# Altium PCB MainBoard.PcbDoc (part 2 of 4) (continued)
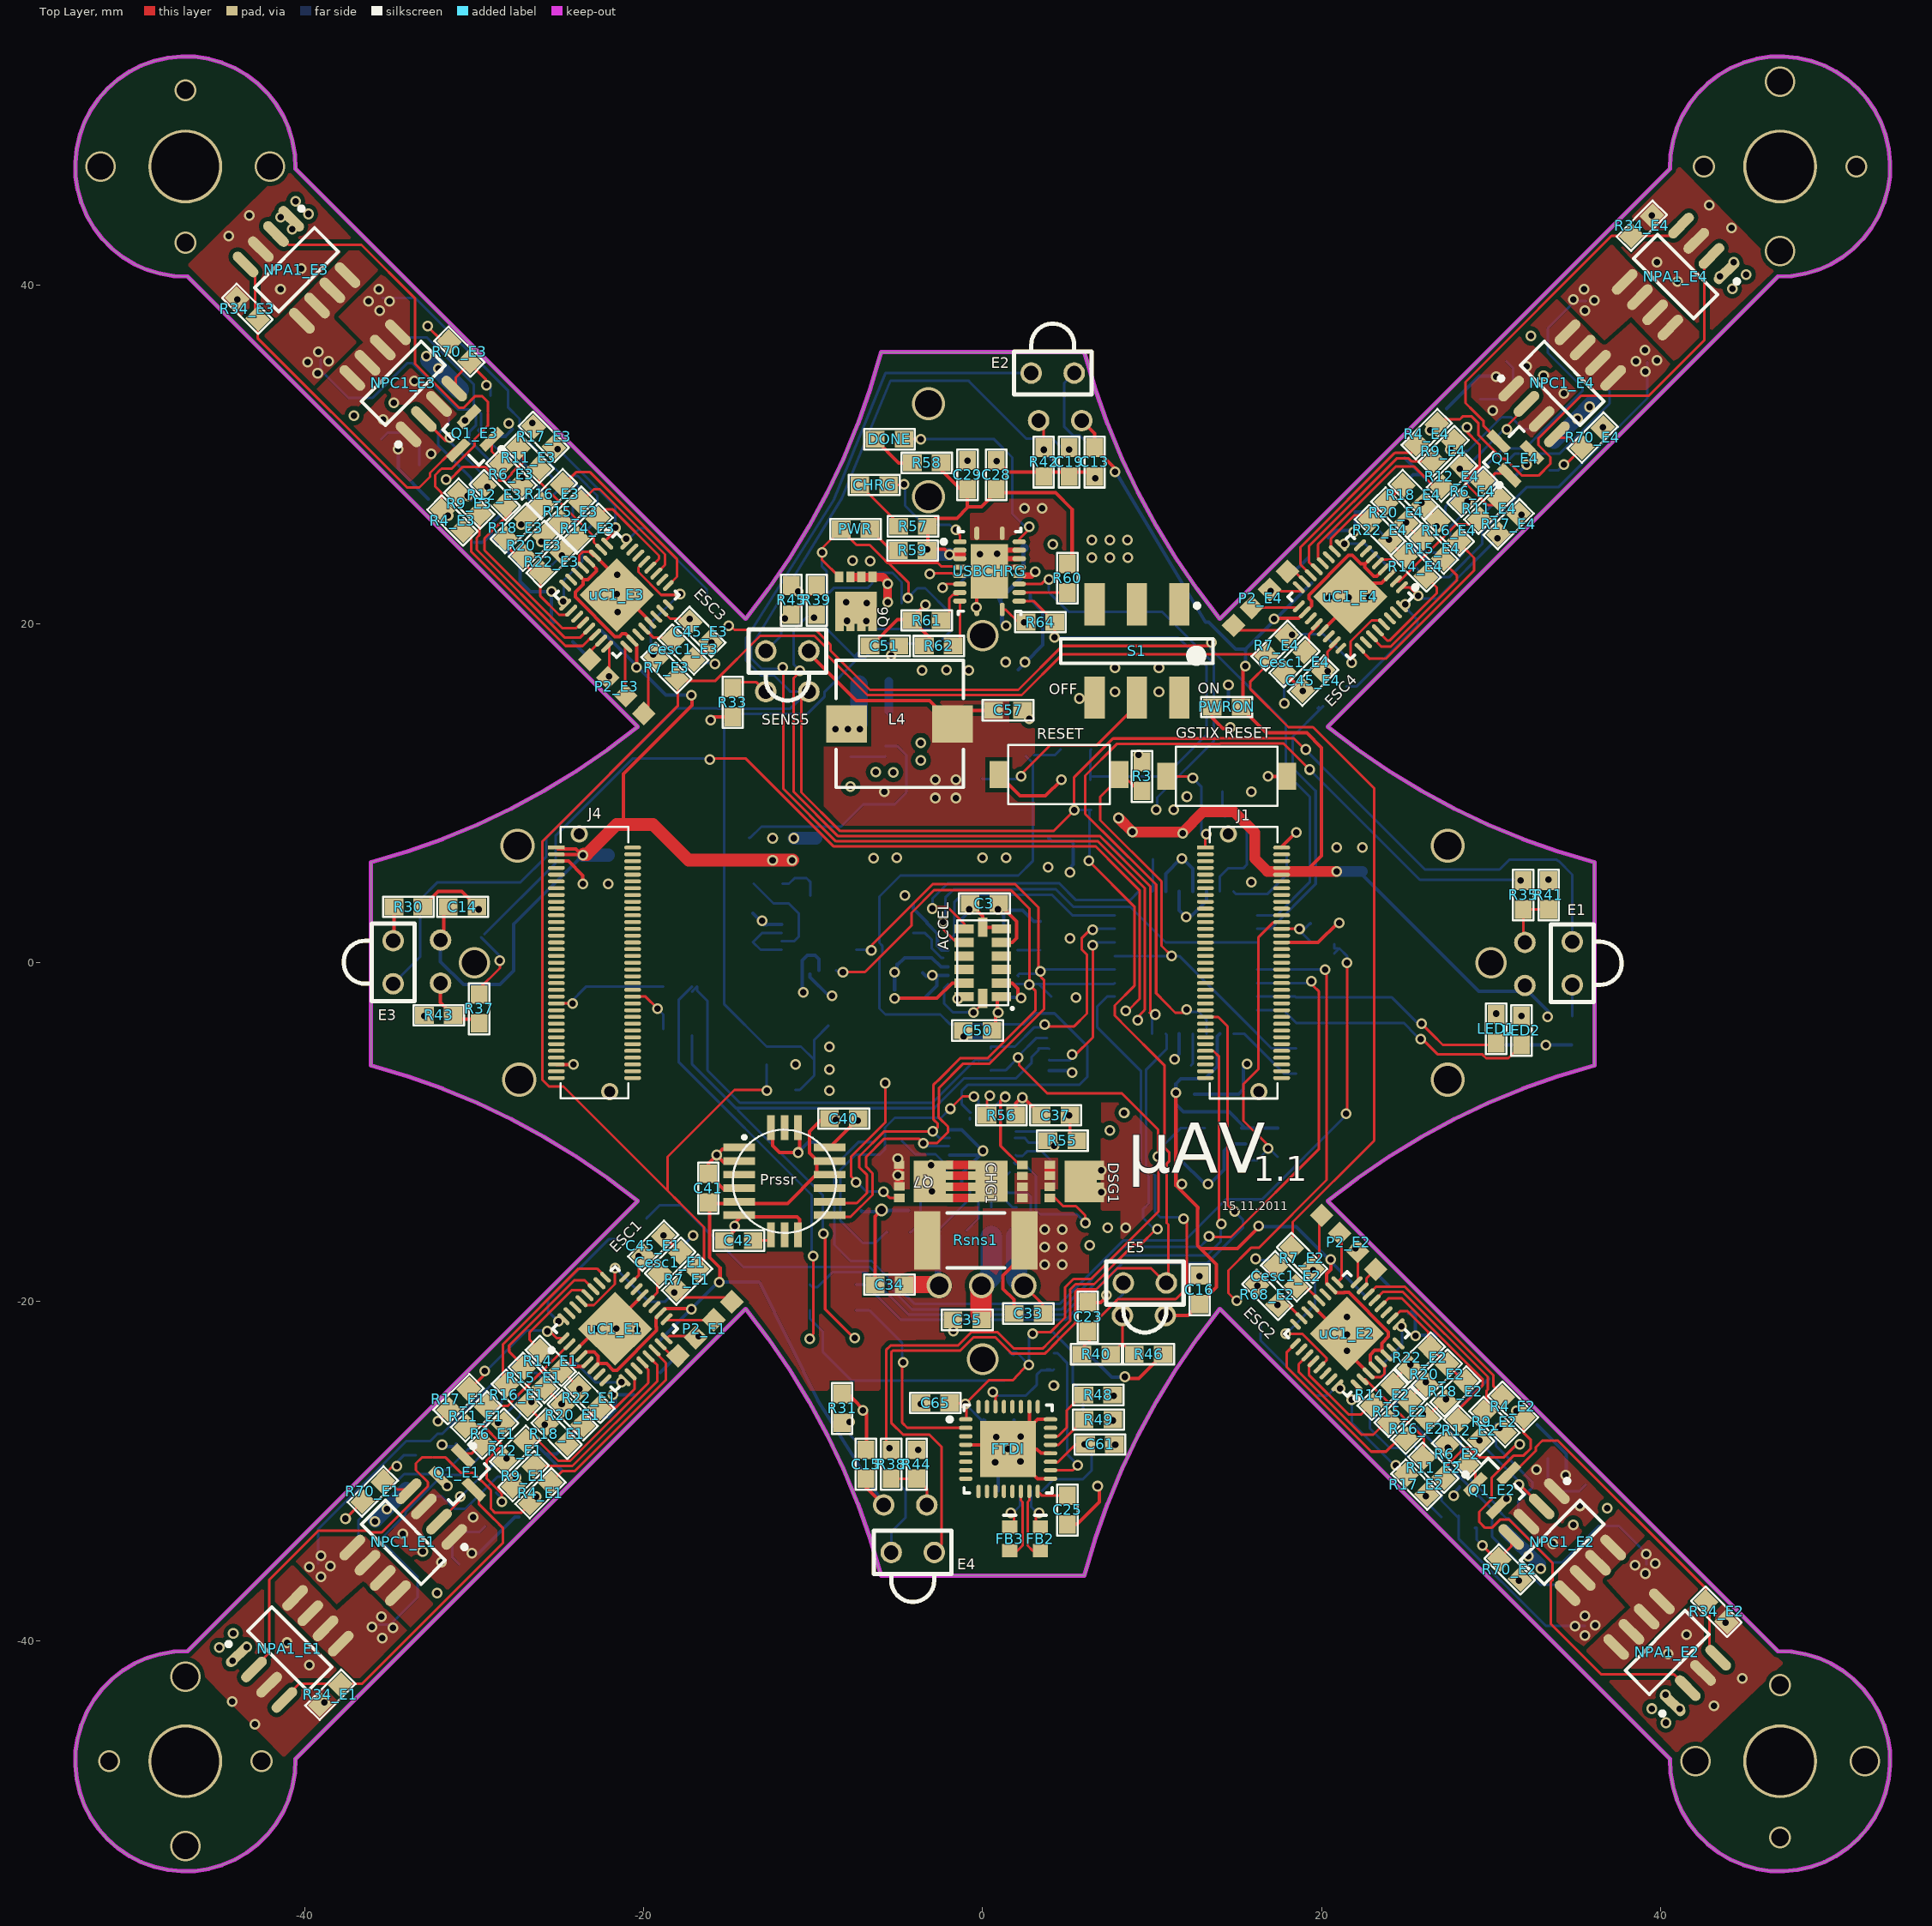
[diagram p0: Top Layer view]
## Nets (pads, with @x,y where several pads share a name; then routed paths per layer and width w, separated by ;. In a path a pad name is that pad's centre, name@x,y a point inside that pad or via, vN(x,y) a via of type N, cw(c..) or ccw(c..) an arc to the next point about the centre after c; other vN are vias at no path point) (continued)
  other v1: -42.95,-44.95 43.167,-43.867 -38.85,-43.65 -44.3,-43.6 44.833,-42.234 -39.75,-41.45 40.45,-40.8 -41.065,-40.125 41.55,-39.65 43.85,-38.95 -32.2,-37.2 31.648,-36.474 -33.05,-34.75 33.655,-34.29 -34.215,-33.714 34.849,-33.172 -37.605,-32.81 36.853,-32.182 16.104,-17.475 6.32,-16.668 7.378,-15.641 8.433,-15.632 7,-13.55 7,-12.25 17.8,15.3 -15.795,17.648 36.6,31.6 -37.1,32.3 -34.75,33.05 34.3,33.6 -33.55,34.35 33.1,34.65 32.35,37 -32.767,37.578 -44,39.15 -41.45,39.75 41,40.2 -40.214,40.968 39.8,41.35 -44.502,42.899 44.208,43.363 -43.282,44.099 39.5,44.1 42.889,44.709
BATT-: Battery.3 Bprot1.5 C34.1 R54.2 Rsns1.1 | length 8.5
  Top Layer w1.016: C34.1@-4.25,-19 -2.62,-19 Battery.3@-2.57,-19.05
  Bottom Layer w0.152: R54.2@-2.679,-15.85 -0.755,-13.926 Bprot1.5@-0.755,-13.055
  Bottom Layer w0.381: R54.2@-2.854,-15.85 R54.2@-2.65,-15.85 ; R54.2@-2.65,-16.127 -2.65,-18.97 Battery.3@-2.57,-19.05
CELLOUT: Bprot1.8 R63.2 | length 3.3
  Bottom Layer w0.152: R63.2@-4.786,-10.504 -3.989,-11.302 -2.782,-11.302 -2.402,-11.682 -2.402,-11.748 -2.3,-11.85 Bprot1.8@-2.05,-11.85
CHRG_PWR: "DC IN.1" C28.2 C29.1 Q5.1 R57.2 R58.2 R59.2 R60.1 USBCHRG.3 USBCHRG.4 USBCHRG.6 | length 22.6
  Top Layer w0.152: v1@-3.3,22.85 -3.25,22.9 -3.15,23 -1.785,23 -1.635,22.85 USBCHRG.6@-1.4,22.85 ; USBCHRG.4@-1.35,23.85 USBCHRG.4@-1.3,23.9 ; USBCHRG.3@-1.35,24.35 USBCHRG.3@-1.3,24.35
  Top Layer w0.203: R57.2@-3.25,25.87 -3.25,24.4 -2.25,24.4 v1(-1.95,24.1) ; R57.2@-2.793,26.228 -1.522,26.228 -0.9,26.85 ; R58.2@-2.45,29.5 -2.45,29.095 -0.9,27.545 -0.9,26.913 -0.085,26.913 C28.2@0.784,27.782 ; C28.2@0.813,27.75 4.293,27.75 5.277,26.767 R60.1@5.277,23.822 ; R60.1@4.6,23.35 R60.1@4.8,23.15
  Top Layer w0.508: v1(-1.95,24.1) -1.35,24.1 -1.25,24.1
  Bottom Layer w0.762: -3.25,24 -3.225,24.025 -3.15,24.1 v1(-1.95,24.1)
  other v1: -3.13,22.95 -7.68,23.726 -6.643,23.719 -3.267,24.403
CHRGING: C26.1 PWR.2 Q5.2 Q6.2 Q8.2 R1.2 R50.2 R51.2 USBCHRG.5 | length 78.2
  Top Layer w0.152: v1(-9.479,24.207) -9.479,23.779 Q6.2@-8.47,22.77 Q6.2@-8.46,22.76 ; v1@-9.47,24.222 -9.47,24.48 PWR.2@-8.35,25.6 ; PWR.2@-8.456,25.486 -8.269,25.486 -7.446,24.663 -6.672,24.663 -5.769,23.76 ; -5.769,23.739 -5.63,23.6 -5.55,23.6 ; v1@-4.521,21.488 -4.39,21.62 -4.39,22.44 -5.55,23.6 ; USBCHRG.5@-1.35,23.35 -1.4,23.3 -1.585,23.3 -1.36,23.379 -1.3,23.4 -2.45,23.4 -2.65,23.6 -5.55,23.6
  Bottom Layer w0.152: R1.2@-11.05,-7.5 -10.796,-7.5 -9.95,-6.654 -9.95,-5.727 ; v1@-9.65,24.1 -9.48,23.93 -9.48,23.383 -9.22,23.123 -9.22,21.688 ; -9.224,21.684 -9.22,21.688 ; Q8.2@-9.1,-3.7 -9.95,-4.55 -9.95,-5.727 ; R51.2@-7.2,18.3 -7.25,18.3 -7.35,18.3 -7.45,18.2 -7.5,18.15 -7.25,18.15 R51.2@-7.25,18 R51.2@-7.25,17.95 ; R51.2@-7.15,17.95 R51.2@-7.25,17.95 ; R51.2@-7,17.95 R51.2@-7.25,17.95 ; R50.2@-4.78,21.21 -4.78,22.46 -5.345,23.025 -6.125,23.025 -6.358,22.792 -6.438,22.792 -6.58,22.65 -6.53,22.599 -6.53,22.377 -6.767,22.14 -8.768,22.14 -9.22,21.688 ; R50.2@-4.445,21.514 -3.859,22.1 -3.39,22.1 -1.91,20.62 -1.91,19.567 -2.63,18.847 -6.103,18.847 -6.91,18.04 -7.538,18.04 -9.22,19.722 -9.22,21.688 ; -9.95,-5.727 -10.727,-4.95 -12.75,-4.95 -15.25,-2.45 -15.25,14.1 -14.65,14.7 -10.339,14.7 -9.35,15.689 -9.35,15.97 -7.37,17.95 R51.2@-7.25,17.95
  other v1: -4.42,21.539
CS0: MCU.12
CTAP: Battery.2 C35.1 R53.2 | length 4.8
  Top Layer w1.27: C35.1@-0.094,-20.7 -0.094,-19.17 Battery.2@-0.07,-19.05
  Bottom Layer w1.27: Battery.2@-0.07,-19.05 0.5,-18.48 R53.2@0.5,-16.35 R53.2@0.5,-16.15
ENA: 3.3PWR.7 S1.5 | length 11.1
  Top Layer w0.152: v1@2.05,10.9 4,12.85 6.75,12.85 9.025,15.125 S1.5@9.025,15.375
  Bottom Layer w0.152: 3.3PWR.7@-0.05,10.875 -0.025,10.85 2,10.85 v1@2.05,10.9
  other v1: 2.261,10.998
FTDI_RESET: B1.1 FTDI.18 | length 9.1
  Top Layer w0.152: FTDI.18@4,-29.95 5.323,-29.95 v1@5.619,-29.654
  Bottom Layer w0.152: B1.1@4.2,-23.05 4.423,-23.05 4.979,-23.605 4.979,-29.005 v1@5.652,-29.678
  other v1: 5.616,-29.657
GND: 3.3PWR.10 3.3PWR.11 3.3PWR.17 "DC IN.2" "GSTIX RESET.2" ACCEL.2 ACCEL.5 ACCEL.12 B1.3 Bprot1.6 Bprot1.9 Bprot1.12 Bprot1.25 C1.1 C2.2 C3.1 C4.1 C5.2 C6.1 C7.2 C8.2 C9.1 C10.2 C11.1 C12.1 C13.1 C14.1 C15.1 C16.1 C18.1 C19.1 C20.1 C21.1 C22.1 C23.1 C24.2 C25.2 C27.1 C28.1 C29.2 C30.1 C31.2 C32.2 C33.2 C34.2 C35.2 C36.2 C37.2 C38.1 C39.1 C40.1 C41.1 C42.2 C43.2 C44.2 C45_E1.2 C45_E2.2 C45_E3.2 C45_E4.2 C46.2 C47_E1.2 C47_E2.2 C47_E3.2 C47_E4.2 C48.2 C50.2 C51.1 C52.2 C54.2 C55_E1.2 C55_E2.2 C55_E3.2 C55_E4.2 C56.1 C57.1 C58.1 C59.2 C61.2 C62.2 C63.1 C64.2 C65.2 C66.2 Cesc1_E1.1 Cesc1_E2.1 Cesc1_E3.1 Cesc1_E4.1 FTDI.4 FTDI.17 FTDI.20 FTDI.24 FTDI.26 FTDI.33 IMU.1 IMU.9 IMU.11 IMU.18 J1.56 J1.70 J1.73 J1.103 Mag.12 Mag.17 MCU.3 MCU.5 MCU.21 mUSB1.5 NPA1_E1.1 NPA1_E2.1 NPA1_E3.1 NPA1_E4.1 NPB1_E1.1 NPB1_E2.1 NPB1_E3.1 NPB1_E4.1 NPC1_E1.1 NPC1_E2.1 NPC1_E3.1 NPC1_E4.1 Osc2.1 Osc2.2 Prssr.1 Prssr.2 Prssr.4 Prssr.6 Prssr.8 Prssr.14 Prssr.15 Prssr.16 Q1_E1.2 Q1_E2.2 Q1_E3.2 Q1_E4.2 Q2_E1.2 Q2_E2.2 Q2_E3.2 Q2_E4.2 Q3_E1.2 Q3_E2.2 Q3_E3.2 Q3_E4.2 Q8.3 Q10.3 R2.2 R5_E1.1 R5_E2.1 R5_E3.1 R5_E4.1 R10_E1.1 R10_E2.1 R10_E3.1 R10_E4.1 R13_E1.1 R13_E2.1 R13_E3.1 R13_E4.1 R24_E1.2 R24_E2.2 R24_E3.2 R24_E4.2 R25_E1.2 R25_E2.2 R25_E3.2 R25_E4.2 R26_E1.2 R26_E2.2 R26_E3.2 R26_E4.2 R28.1 R29.1 R30.1 R31.1 R32.1 R33.1 R41.1 R42.1 R43.1 R44.1 R45.1 R46.1 R56.1 R61.1 R62.1 R65.2 R68_E1.1 R68_E2.1 R68_E3.1 R68_E4.1 R72.2 R74.1 R75.1 R76_E1.1 R76_E2.1 R76_E3.1 R76_E4.1 R77.1 Reg1.2 RESET.2 Rsns1.2 S1.4 uC1_E1.3 uC1_E1.5 uC1_E1.21 uC1_E1.33 uC1_E2.3 uC1_E2.5 uC1_E2.21 uC1_E2.33 uC1_E3.3 uC1_E3.5 uC1_E3.21 uC1_E3.33 uC1_E4.3 uC1_E4.5 uC1_E4.21 uC1_E4.33 USBCHRG.10 USBCHRG.16 USBCHRG.17 USBCHRG.18 USBCHRG.21 Vtrans.4 | length 279.6
  Top Layer w0.152: uC1_E3.5@-23.81,23.556 -23.81,24.056 -23.603,24.263 uC1_E3.3@-23.206,24.263 ; uC1_E2.3@23.003,-24.463 23.503,-24.463 23.71,-24.256 uC1_E2.5@23.71,-23.84 ; uC1_E4.5@23.556,23.81 24.056,23.81 24.263,23.603 uC1_E4.3@24.263,23.103
  Top Layer w0.203: R30.1@-33.05,3.3 -32.15,4.2 -30.75,4.2 C14.1@-29.85,3.3 ; J1.103@-25.161,-6 v1(-24.15,-6) ; J1.73@-25.161,6 -24.45,6 -23.6,5.15 v1(-23.6,4.65) ; uC1_E1.3@-24.289,-23.128 -24.289,-23.645 -24.099,-23.835 -23.582,-23.835 uC1_E1.5@-23.326,-23.58 ; uC1_E1.3@-24.263,-23.103 -24.253,-23.103 -22.909,-21.759 -22.909,-21.723 -22.772,-21.723 -22.761,-21.6 uC1_E1.33@-21.7,-21.6 -21.7,-21.246 uC1_E1.21@-20.074,-19.62 ; uC1_E3.5@-23.81,23.556 uC1_E3.5@-23.58,23.326 ; uC1_E3.3@-23.206,24.263 -22.976,24.033 -22.901,24.062 -21.628,22.789 uC1_E3.33@-21.6,21.7 -21.2,21.7 -19.62,20.12 uC1_E3.21@-19.62,20.074 ; v1(-18.849,-16.099) Cesc1_E1.1@-17.849,-17.099 ; Cesc1_E3.1@-16.999,17.799 -15.999,18.799 v1(-16,18.9) ; v1@-16.05,14.5 -14.85,14.5 R33.1@-14.8,14.55 ; C42.2@-15.25,-16.4 -14.65,-15.8 v1(-14.65,-15.55) -14.65,-15.38 -14.27,-15 -10.95,-15 -10.8,-15.15 Prssr.8@-10.8,-16.16 ; Prssr.4@-14.27,-13.4 -15.25,-13.4 C41.1@-16.2,-12.45 -16.2,-11.85 v1(-15.7,-11.35) ; Prssr.2@-14.27,-11.8 -15.25,-11.8 v1(-15.7,-11.35) ; Prssr.1@-14.27,-11 -15.35,-11 v1(-15.7,-11.35) ; Prssr.16@-12.4,-9.84 -12.4,-10.8 -12,-11.2 -11.05,-11.2 -10.8,-10.95 Prssr.15@-10.8,-9.84 ; Prssr.14@-9.03,-10.9 -7.468,-9.338 C40.1@-7.432,-9.338 ; R31.1@-8.3,-25.45 -8.2,-25.55 -7.85,-25.55 -6.85,-26.55 -6.85,-28.7 C15.1@-6.9,-28.75 ; C40.1@-7.35,-9.42 -7.35,-9.35 C40.1@-7.35,-9.2 ; C51.1@-6.75,18.7 C51.1@-6.65,18.7 ; C51.1@-6.598,18.7 C51.1@-6.65,18.7 ; C34.2@-6.35,-19 -6.35,-14.98 v8@-5.94,-14.57 ; v1@-5.05,-2.1 -2.7,-2.1 -1.8,-1.2 ACCEL.12@-1.097,-1.2 ; R61.1@-4.14,20.269 -4.14,20.371 v1(-3.378,21.133) ; R62.1@-3.15,18.669 -3.15,19.202 -4.191,20.244 -5.029,20.244 -6.573,18.7 C51.1@-6.65,18.7 ; FTDI.4@-1,-28.45 1.25,-28.45 v9(1.5,-28.7) ; USBCHRG.10@-0.35,20.85 -0.35,22.05 -0.35,22.35 USBCHRG.21@0.4,23.1 0.65,23.35 0.8,23.5 USBCHRG.21@1.15,23.85 ; C28.1@0.813,29.642 1.505,28.95 3.6,28.95 5.1,28.95 6.35,28.95 C13.1@6.6,28.7 ; C3.1@0.95,3.5 1.1,3.35 2,2.45 2,1.45 1.75,1.2 ACCEL.5@1.097,1.2 ; RESET.2@0.95,11.1 2.2,9.85 3.7,9.85 v1(4.65,10.8) ; ACCEL.2@1.097,-1.2 1.75,-1.2 2.08,-1.53 2.08,-2.03 v1@2.25,-2.2 ; C33.2@1.85,-20.7 1.85,-19.89 1.198,-19.238 1.198,-18.453 Rsns1.2@2.863,-16.788 ; R56.1@1.95,-9 1.95,-8.3 2.3,-7.95 2.4,-7.95 C37.2@3.45,-9 ; FTDI.26@2.75,-26.2 FTDI.33@2.75,-27.45 ; FTDI.17@4,-30.45 3.25,-30.45 2.425,-29.625 v9(1.5,-28.7) ; FTDI.20@4,-28.95 3.45,-28.95 3.2,-28.7 v9(1.5,-28.7) ; FTDI.24@4,-26.95 3.25,-26.95 FTDI.33@2.75,-27.45 ; C25.2@5,-33.15 5.557,-33.15 6.886,-31.821 v1@6.886,-31.108 ; C23.1@6.2,-20.05 6.95,-20.05 v1@7.2,-19.8 ; C61.2@7.349,-28.848 C61.2@7.771,-28.427 ; v1@8.35,-24.53 9.22,-24.53 R46.1@10.65,-23.1 ; R68_E2.1@16.199,-18.999 Cesc1_E2.1@17.299,-17.899 ; v1(16.85,11) 17.95,11 ; J1.56@17.641,1.2 19.8,1.2 v1@20.975,2.375 ; J1.70@17.641,6.8 17.641,6.841 v1@18.425,7.625 ; Cesc1_E4.1@17.799,17.149 C45_E4.2@18.899,16.049 ; uC1_E2.21@19.52,-20.274 21.146,-21.9 uC1_E2.33@21.5,-21.9 21.5,-22.961 uC1_E2.3@23.003,-24.463 ; uC1_E4.21@20.074,19.62 21.7,21.246 uC1_E4.33@21.7,21.6 22.5,22.4 23.532,22.4 24.004,22.873 uC1_E4.3@24.033,22.873 uC1_E4.3@24.263,23.103 ; uC1_E4.5@23.326,23.58 uC1_E4.5@23.556,23.81 ; uC1_E2.5@23.71,-23.84 23.75,-23.8 23.48,-23.53 uC1_E2.5@23.48,-23.526 uC1_E2.5@23.71,-23.756 ; v1(32.1,29.4) 32.426,29.726 Q1_E4.2@32.426,30.118 ; v9(1.5,-28.7) 2.325,-27.875 FTDI.33@2.75,-27.45
  Top Layer w0.305: USBCHRG.21@0.65,23.35 USBCHRG.16@2.15,23.35 ; USBCHRG.21@1.15,23.85 USBCHRG.17@2.15,23.85 ; USBCHRG.21@1.35,24.35 USBCHRG.18@2.15,24.35
  Bottom Layer w0.203: v1@-34.502,30.308 -34.502,29.159 Q2_E3.2@-32.718,27.374 ; v1@-31.907,-28.435 -31.774,-28.567 Q3_E1.2@-31.186,-28.567 ; Q3_E1.2@-31.082,-28.418 Q3_E1.2@-31.074,-28.418 ; v1@-30.16,-34.867 -29.767,-34.867 -27.617,-32.718 Q2_E1.2@-27.374,-32.718 ; R5_E3.1@-29.999,24.799 -29.5,24.799 R10_E3.1@-28.999,25.3 ; Q3_E3.2@-28.418,31.074 -28.176,31.074 -27.75,31.5 ; R13_E3.1@-27.999,26.899 -28.999,25.899 R10_E3.1@-28.999,25.799 R10_E3.1@-28.999,25.3 ; R13_E1.1@-26.799,-27.999 R10_E1.1@-25.799,-28.999 ; v1@-25.469,21.914 -25.469,20.269 R76_E3.1@-25.301,20.101 ; v1@-25.406,21.907 -26.71,21.907 R24_E3.2@-26.801,21.999 -27.301,22.499 R25_E3.2@-27.301,23.499 R26_E3.2@-28.301,24.499 -28.999,25.197 R10_E3.1@-28.999,25.3 ; R5_E1.1@-24.799,-29.999 R10_E1.1@-25.799,-28.999 ; R26_E1.2@-24.549,-28.401 -25.147,-28.999 R10_E1.1@-25.799,-28.999 ; R26_E1.2@-24.549,-28.251 -23.599,-27.301 -23.099,-26.801 R24_E1.2@-22.099,-26.801 -21.7,-26.402 -21.7,-25.5 R76_E1.1@-20.6,-25.5 ; C58.1@-13.562,2.917 -12.895,2.25 -12.75,2.25 -12.733,2.267 Mag.12@-11.862,2.267 ; v1@-11.05,-11.2 v1@-10.95,-11.1 ; v1@-10.912,-11.199 -10.304,-10.592 C38.1@-9.816,-10.592 ; Mag.17@-10.2,-0.663 -10.2,-0.841 -9.091,-1.95 v1(-8.9,-1.95) ; C36.2@-7.17,-14.64 -7.129,-14.681 Osc2.1@-5.613,-14.681 ; Osc2.1@-6.01,-14.64 -5.996,-14.626 Osc2.2@-4.39,-14.626 ; -5.2,-1.6 -5.2,-0.6 -5.185,-0.595 -5.05,-0.55 C4.1@-5.05,-0.15 ; -5.05,-0.1 C4.1@-5.05,-0.15 ; C6.1@-4.1,3.45 -4.1,3.198 -3.289,2.387 -3.289,2.337 -2.67,1.718 -2.67,0.987 -2.433,0.75 IMU.11@-2.05,0.75 ; IMU.9@-2.05,-0.25 -2.45,-0.25 -3,0.3 -4.6,0.3 C4.1@-5.05,-0.15 ; Bprot1.9@-1.95,-11.35 -0.237,-11.35 v10(0.014,-11.098) ; Bprot1.12@-1.95,-9.85 -1.25,-9.85 Bprot1.25@0,-11.1 ; Bprot1.6@-1.25,-13.05 -1.25,-12.448 Bprot1.25@0.082,-11.117 ; v1@-1.142,-4.425 Vtrans.4@0.475,-4.425 ; v1@0.7,-29.65 0.7,-29.85 0.9,-30.05 mUSB1.5@0.9,-31.175 ; IMU.1@1.25,-2.05 2.1,-2.05 v1@2.25,-2.2 ; IMU.18@1.25,2.05 1.25,2.8 C5.2@0.95,3.1 2.35,3.1 3,2.45 C1.1@3.4,2.45 ; v9(1.5,-28.7) 1.85,-28.35 C63.1@1.85,-27 ; C66.2@2.1,17.3 2.525,17.725 3.554,18.754 3.554,20.705 2.8,21.459 C31.2@2.8,21.75 ; R32.1@6.2,-23.05 7.62,-24.47 v1@8.35,-24.47 ; MCU.3@10.8,4.2 10.8,5.25 11.7,6.15 11.725,6.175 11.75,6.2 11.775,6.175 11.85,6.1 12.4,5.55 MCU.5@12.4,4.2 ; v1@11.328,-5.639 11.6,-5.367 MCU.21@11.6,-4.2 ; C7.2@11.6,-11.55 13.15,-13.1 13.3,-13.1 C2.2@13.35,-13.1 14.25,-12.2 14.25,-11.1 14.65,-10.7 Reg1.2@15.5,-10.7 ; C9.1@12.5,-7.75 15.1,-7.75 15.394,-7.456 15.394,-6.156 15.484,-6.066 C54.2@15.55,-6 ; R77.1@14.5,15.25 v1@14.5,16.45 ; R76_E4.1@20.401,25.101 20.81,25.51 v1@21.818,25.51 ; v1@21.999,25.515 21.999,26.601 22.999,26.601 23.499,27.101 23.699,27.101 25.397,28.799 R10_E4.1@25.899,28.799 ; R5_E4.1@24.899,29.799 R10_E4.1@25.899,28.799 ; R76_E2.1@25.121,-20.701 R76_E2.1@25.4,-20.701 ; R76_E2.1@25.298,-20.599 R76_E2.1@25.4,-20.701 ; R76_E2.1@25.503,-20.701 R76_E2.1@25.4,-20.701 ; R24_E2.2@26.651,-21.849 26.651,-21.999 26.651,-22.849 27.351,-23.549 R26_E2.2@28.101,-24.299 ; R24_E2.2@26.822,-21.971 25.527,-21.971 25.527,-20.828 R76_E2.1@25.4,-20.701 ; R13_E4.1@26.999,27.899 26.799,27.899 R10_E4.1@25.899,28.799 ; Q2_E4.2@27.374,32.718 29.297,34.641 v1@30.237,34.641 ; v1@27.75,-31.35 28.072,-31.028 Q3_E2.2@28.15,-30.95 ; R13_E2.1@27.849,-26.549 28.749,-25.649 R10_E2.1@28.849,-25.549 ; R26_E2.2@28.251,-24.299 28.426,-24.474 28.849,-24.897 R10_E2.1@28.849,-25.549 ; R5_E2.1@29.849,-24.549 29.749,-24.649 R10_E2.1@28.849,-25.549 ; R74.1@30.3,-4.85 R75.1@31.8,-4.85 ; Q3_E4.2@31.174,28.474 v1(32.1,29.4) ; R75.1@31.85,-4.85 R75.1@31.8,-4.85 ; Q2_E2.2@32.718,-27.274 34.438,-28.995 v1@34.438,-30.19 ; C12.1@33.3,-4.85 R75.1@31.8,-4.85 ; C12.1@33.375,-4.775 33.45,-4.85 R28.1@34.75,-4.85
  Bottom Layer w0.754: Q10.3@-11.135,7.345 Q10.3@-9.851,7.345
  Bottom Layer w0.762: NPB1_E2.1@30.838,-33.552 v1@32.87,-35.485
  Bottom Layer w0.889: v1@-35.848,-32.9 NPB1_E1.1@-34.02,-31.072 ; NPB1_E4.1@33.721,30.78 36,33.1
  Bottom Layer w1.143: -32.625,35.569 NPB1_E3.1@-30.891,33.835
  other v1: 40.317,-44.856 39.483,-44.022 41.137,-44.027 40.294,-43.2 -44.266,-41.201 -45.068,-40.406 -43.439,-40.381 -44.235,-39.579 32.926,-35.751 -31.955,-35.379 32.201,-35.027 -30.159,-34.842 -35.87,-32.97 -30.087,-32.715 -35.164,-32.25 35.25,-32.05 30.919,-31.623 27.788,-31.445 -31.606,-30.882 6.782,-30.888 34.4,-30.25 32.69,-29.921 0.735,-29.471 2.227,-29.426 -3.8,-28.75 -31.911,-28.452 7.82,-28.445 0.785,-27.996 2.238,-27.968 -7.072,-26.411 -3.65,-26.05 -21.821,-25.484 4.2,-24.95 8.398,-24.434 21.488,-22.911 25.554,-22.014 21.488,-21.946 -1.725,-21.739 -20.377,-21.638 -22.844,-21.618 -21.628,-21.584 21.488,-20.904 7.311,-19.606 16.2,-19.05 12.8,-18.5 3.65,-17.82 4.69,-17.82 3.65,-16.78 4.69,-16.78 3.65,-15.74 4.69,-15.74 13.3,-13.05 -10.9,-11.2 -7.366,-9.31 2.338,-7.961 -9.05,-7.55 -9.05,-6.3 -11.05,-6 15.596,-5.969 11.328,-5.69 -9.05,-4.95 33.25,-4.85 -1.12,-4.355 -32.95,-3.15 -5.2,-2.1 2.267,-2.084 -5.2,-0.55 21.05,2.35 -13.013,2.489 -29.75,3.15 0.9,3.15 -4.596,3.979 -22.1,4.65 15.85,4.75 33.4,4.9 3.85,5.65 11.75,6.15 -6.45,6.18 -5.08,6.19 20.9,6.8 22.4,6.8 -12.4,7.35 -11.15,7.35 18.5,7.7 15.85,10.1 -7.8,10.4 -6.318,11.253 -5.282,11.244 -3.65,11.95 -3.652,12.991 -16.053,14.326 2.75,14.4 5.7,15.6 18.9,16.05 14.5,16.4 1.35,17.75 2.5,17.75 -21.55,20.7 -0.379,20.986 21.6,21.55 20.428,21.569 22.788,21.578 -21.6,21.75 -25.445,21.911 -10.897,21.92 -21.58,22.905 -0.153,24.123 0.844,24.134 4.14,24.689 21.891,25.427 6.65,28.6 0.813,29.616 -0.889,29.642 -32.55,30.032 -34.516,30.317 -27.983,31.832 -30.55,32 -35.4,32.05 35.1,32.1 30.1,32.6 35.812,32.807 30.3,34.6 -32.135,35.081 32.1,35.2 -32.837,35.804 44.237,39.788 43.516,40.511 45.067,40.611 44.328,41.354 -40.748,43.287 -41.447,44.002 -39.789,44.195 -40.55,44.95
  other v8: -5.98,-14.6
MCU_ADC0: C18.2 MCU.19 R35.1 | length 49.3
  Top Layer w0.152: 7.078,7.772 10.236,4.614 10.236,-1.803 11.357,-2.95 12.1,-2.95 v1@12.15,-2.9 ; 7.087,7.747 6.05,8.784 6.05,11.05 7.929,12.929 14.026,12.929 14.028,12.931 17.769,12.931 v1@19.25,11.45
  Bottom Layer w0.152: v1@12.15,-2.9 12.75,-2.9 13.2,-3.35 MCU.19@13.2,-4.2 ; v1@19.1,11.5 v1@19.2,11.4 ; v1@19.25,11.45 v1@19.2,11.4 ; C18.2@31.75,4.9 25.8,4.9 19.5,11.2 19.5,11.4 v1@19.2,11.4
  other v1: 12.04,-2.769 31.75,4.85 19.3,11.4
MCU_ADC1: C19.2 MCU.24 R36.1 | length 72.6
  Top Layer w0.152: v1@-11.8,17.35 -11.768,17.318 -11.768,10.268 -8.663,7.163 6.806,7.163 9.56,4.41 9.56,-2.28 ; v1@9.4,-3.35 9.331,-3.246 9.3,-3.2 9.25,-3.1 9.51,-2.84 9.51,-2.813 9.56,-2.763 9.56,-2.472 ; 9.559,-2.472 9.559,-2.281
  Bottom Layer w0.152: v1@-11.75,17.35 -11.8,17.35 -13.05,17.35 -13.664,17.964 -13.664,18.786 -13.45,19 -8.3,27.45 -5.45,34.35 -0.85,34.35 ; -0.8,34.35 -0.85,34.35 ; R36.1@5.2,30.65 4.975,30.425 4.8,30.25 4.113,30.937 2.563,30.937 -0.85,34.35 ; MCU.24@9.15,-3.6 9.35,-3.4 9.4,-3.35 9.4,-3.3 9.4,-3.25 9.35,-3.2 v1@9.3,-3.2
  other v1: 9.153,-3.397 -11.811,17.424 5.1,30.3
MCU_ADC2: C20.2 MCU.25 R37.1 | length 58.8
  Top Layer w0.152: R37.1@-29.718,-1.538 -28.495,-0.315 -28.495,0.047 v1@-28.555,0.106 ; v1@-16.1,12.05 -13.981,12.05 -8.789,6.858 6.68,6.858 7.378,6.16 7.378,6.155 9.255,4.278 9.255,-2.145 9.205,-2.195 8.6,-2.8 8.646,-2.846 v1(8.446,-2.846)
  Bottom Layer w0.152: C20.2@-29.599,1.498 -28.477,0.375 v1@-28.578,0.152 ; C20.2@-29.413,1.676 -25.197,5.893 -25.197,7.518 -20.665,12.05 v1@-16.1,12.05
  other v1: -28.501,0.118 -16.1,12
MCU_ADC3: C21.2 MCU.26 R38.1 | length 42.9
  Top Layer w0.152: R38.1@-5.4,-28.75 -5.45,-28.75 -5.703,-28.497 -5.703,-22.855 -5.442,-22.595 -3.965,-22.595 ; -3.965,-22.595 -1.472,-22.595 -0.687,-21.811 0.58,-21.811 0.585,-21.806 0.874,-21.806 1.823,-22.754 3.561,-22.754 3.718,-22.598 ; 3.693,-22.607 5.167,-21.133 5.167,-19.279 5.479,-18.967 6.583,-18.967 7.132,-18.418 7.132,-18.416 8.898,-16.65 9.3,-16.65 v1@10.2,-15.75
  Bottom Layer w0.152: MCU.26@7.8,-2 7.338,-2 6.746,-2.591 6.746,-3.796 9.347,-6.397 9.347,-12.149 9.79,-12.592 9.79,-14.208 9.474,-14.524 9.474,-15.074 v1@10.15,-15.75
  other v1: -5.5,-28.65 10.312,-15.723
MCU_ADC4: C22.2 MCU.23 R39.1 | length 44.6
  Top Layer w0.152: v1@-10.744,17.221 -11.151,16.815 -11.151,10.082 -8.537,7.468 6.933,7.468 9.895,4.505 9.895,-2.376 9.9,-2.381 9.9,-2.9 9.875,-2.925 9.85,-2.95 9.975,-3.075 v1@10,-3.1
  Bottom Layer w0.152: v1@-10.795,17.247 -11.15,17.602 -11.15,19.65 -10.375,20.425 -10.3,20.425 C22.2@-10.2,20.425 ; C22.2@-10.2,20.25 C22.2@-10.2,20.425 ; C22.2@-10.125,20.425 C22.2@-10.2,20.425 ; v1@10,-3.15 MCU.23@10,-4.2 v1@10,-3.1
  other v1: 10.189,-3.05 -10.795,17.221 -9.957,20.371
MCU_ADC5: C23.2 MCU.22 R40.1 | length 25.5
  Top Layer w0.152: R40.1@5.85,-23.1 5.85,-22.75 6.3,-22.3 6.3,-21.75 6.3,-21.55 C23.2@6.2,-21.55 ; 6.641,-21.191 7.499,-20.333 7.507,-20.333 7.887,-19.953 7.887,-19.945 7.982,-19.85 11.4,-19.85 12.05,-19.2 12.05,-15.1 v1@12.05,-15.025
  Bottom Layer w0.152: MCU.22@10.8,-4.2 10.85,-4.25 10.85,-5.1 9.652,-6.298 9.652,-12.023 10.17,-12.541 10.17,-14.72 10.475,-15.025 v1@12.075,-15.025
  other v1: 11.862,-15.113
MCU_RESET: MCU.29 P1.3 R3.1 RESET.1 | length 27.7
  Top Layer w0.152: 6.934,9.804 6.934,8.416 10.55,4.8 10.55,1 v1(11.15,0.4) ; 6.95,9.8 8.15,11 RESET.1@8.25,11.1 ; RESET.1@8.05,11.1 RESET.1@8.25,11.1 ; R3.1@9.4,10.15 9.2,10.15 RESET.1@8.25,11.1
  Bottom Layer w0.152: MCU.29@7.8,0.4 v1(11.15,0.4) 11.6,0.4 15.55,-3.55 17.05,-5.05 P1.3@18.5,-5.05
MCU_RESET_E1: P2_E1.4 R7_E1.1 uC1_E1.29 | length 11.7
  Top Layer w0.152: uC1_E1.29@-23.68,-20.025 uC1_E1.29@-23.68,-19.974 -23.45,-20.204 -22.95,-20.204 -21.718,-18.971 -21.718,-18.096 v1@-21.693,-18.072 ; R7_E1.1@-18.201,-19.401 -18.176,-19.426 -17.842,-19.76 -15.099,-19.76 -14.809,-20.05 P2_E1.4@-14.8,-20.05
  Bottom Layer w0.152: v1@-21.688,-18.02 -19.695,-20.013 -18.763,-20.013 v1(-18.2,-19.45)
  other v1: -21.71,-18.026
MCU_RESET_E2: P2_E2.4 R7_E2.1 uC1_E2.29 | length 11.8
  Top Layer w0.152: v1@17.835,-21.897 18.851,-21.897 20.301,-23.348 20.301,-23.452 uC1_E2.29@19.874,-23.88 ; R7_E2.1@19.501,-18.101 19.867,-17.735 19.867,-15.051 P2_E2.4@20.009,-14.909
  Bottom Layer w0.152: v1@17.886,-21.914 19.6,-20.201 19.6,-18.15 19.55,-18.1 v1(19.5,-18.15)
  other v1: 17.868,-21.898
MCU_RESET_E3: P2_E3.4 R7_E3.1 uC1_E3.29 | length 11.7
  Top Layer w0.152: P2_E3.4@-20.05,14.8 -19.734,15.116 -19.734,17.868 -19.451,18.151 -19.426,18.176 R7_E3.1@-19.401,18.201 ; uC1_E3.29@-19.974,23.68 -20.325,23.329 -20.325,23.062 -18.974,21.711 v1@-17.865,21.711
  Bottom Layer w0.152: v1(-19.45,18.2) -19.583,18.333 -19.583,20.06 v1@-17.919,21.724
  other v1: -17.865,21.753
MCU_RESET_E4: P2_E4.4 R7_E4.1 uC1_E4.29 | length 11.4
  Top Layer w0.152: P2_E4.4@14.85,19.95 15.166,19.634 17.918,19.634 18.076,19.476 18.226,19.326 R7_E4.1@18.251,19.301 ; v1(21.772,17.707) 21.718,17.762 21.718,18.971 22.95,20.204 23.382,20.204 uC1_E4.29@23.387,20.208
  Bottom Layer w0.152: v1@18.2,19.45 18.249,19.401 20.1,19.401 v1@21.746,17.754
  other v1: 18.25,19.35
MISO: LED2.1 MCU.16 P1.2 | length 17.1
  Top Layer w0.152: v1@25.9,-4.45 26.842,-5.392 29.469,-5.392 29.705,-5.629 31.021,-5.629 LED2.1@31.8,-4.85
  Bottom Layer w0.152: MCU.16@16.2,-2.8 17.75,-2.8 P1.2@18.5,-3.55 24.85,-3.55 25.202,-3.902 25.202,-3.918 25.734,-4.45 v1@25.9,-4.45
  other v1: 25.85,-4.5
MISO_E1: LED_E1.1 P2_E1.2 uC1_E1.16 | length 1.6
  Top Layer w0.152: uC1_E1.16@-18.662,-22.187 -18.506,-22.03 P2_E1.2@-17.13,-22.03
  other v1: -16.756,-22.037
MISO_E2: LED_E2.1 P2_E2.2 uC1_E2.16 | length 1.9
  Top Layer w0.152: uC1_E2.16@22.066,-18.859 22.13,-18.795 P2_E2.2@22.13,-17.03
  other v1: 21.996,-16.852
MISO_E3: LED_E3.1 P2_E3.2 uC1_E3.16 | length 1.9
  Top Layer w0.152: P2_E3.2@-22.03,17.13 -22.03,18.659 -22.03,18.895 uC1_E3.16@-21.966,18.959
  other v1: -22.05,16.9
MISO_E4: LED_E4.1 P2_E4.2 uC1_E4.16 | length 1.8
  Top Layer w0.152: P2_E4.2@17.18,21.93 18.659,21.93 uC1_E4.16@18.945,21.93
  other v1: 17,21.95
MOSI: LED1.1 MCU.15 P1.1 | length 15.3
  Top Layer w0.152: v1@25.8,-3.7 25.966,-3.7 26,-3.7 26.532,-4.232 27.15,-4.85 LED1.1@30.3,-4.85
  Bottom Layer w0.152: MCU.15@16.2,-2 18.45,-2 P1.1@18.5,-2.05 24.15,-2.05 v1@25.8,-3.7
  other v1: 25.9,-3.6
MOSI_E1: P2_E1.1 uC1_E1.15 | length 1
  Top Layer w0.152: uC1_E1.15@-19.013,-22.549 -19.001,-22.549 -18.459,-23.091 P2_E1.1@-18.191,-23.091
MOSI_E2: P2_E2.1 uC1_E2.15 | length 1.4
  Top Layer w0.152: uC1_E2.15@22.419,-19.213 22.649,-18.983 22.649,-18.633 P2_E2.1@23.191,-18.091
MOSI_E3: P2_E3.1 uC1_E3.15 | length 1.1
  Top Layer w0.152: P2_E3.1@-23.091,18.191 -23.091,18.459 -22.549,19.001 -22.549,19.013 uC1_E3.15@-22.549,19.083
MOSI_E4: P2_E4.1 uC1_E4.15 | length 1.1
  Top Layer w0.152: P2_E4.1@18.241,22.991 18.509,22.991 18.997,22.503 19.051,22.449 uC1_E4.15@19.133,22.449
NC: 
Net3.3PWR_12: 3.3PWR.12 C62.1 | length 2.1
  Bottom Layer w0.152: C62.1@-7.8,12.15 -5.775,12.15 3.3PWR.12@-5.75,12.175
Net3.3PWR_13: 3.3PWR.13 Q10.2 | length 14.1
  Bottom Layer w0.152: Q10.2@-13.78,7.37 -13.73,7.37 -13.063,8.037 -8.364,8.037 -7.041,9.36 -5.19,9.36 -4.5,10.05 -4.5,12.25 -5.05,12.8 3.3PWR.13@-5.75,12.8
Net3.3PWR_14: 3.3PWR.14 3.3PWR.15 C53.1 L4.1 Q10.1 | length 2.5
  Bottom Layer w0.508: C53.1@-7.3,16.45 C53.1@-7.25,16.5 C53.1@-7.2,16.5
  Bottom Layer w1.016: v1@-7.3,14.1 C53.1@-7.3,16.45
  other v1: -8.7,13.8 -7.95,13.8 -7.25,13.8
Net3.3PWR_16: 3.3PWR.16 C53.2 | length 1.8
  Bottom Layer w0.508: 3.3PWR.16@-5.55,14.85 C53.2@-5.55,16.5 -5.548,16.5 C53.2@-5.55,16.6